# Altium PCB PCB.PcbDoc
Units mil, origin at the board's own origin, x right, y up, seen from the top; angles counter-clockwise.
Board outline 1259.84 x 1968.5 mil, 4 copper layers (Top Layer, Mid Layer 1, Mid Layer 2, Bottom Layer), stack 61.811 mil thick; 37 components, 44 nets, 186 pads, 37 vias.
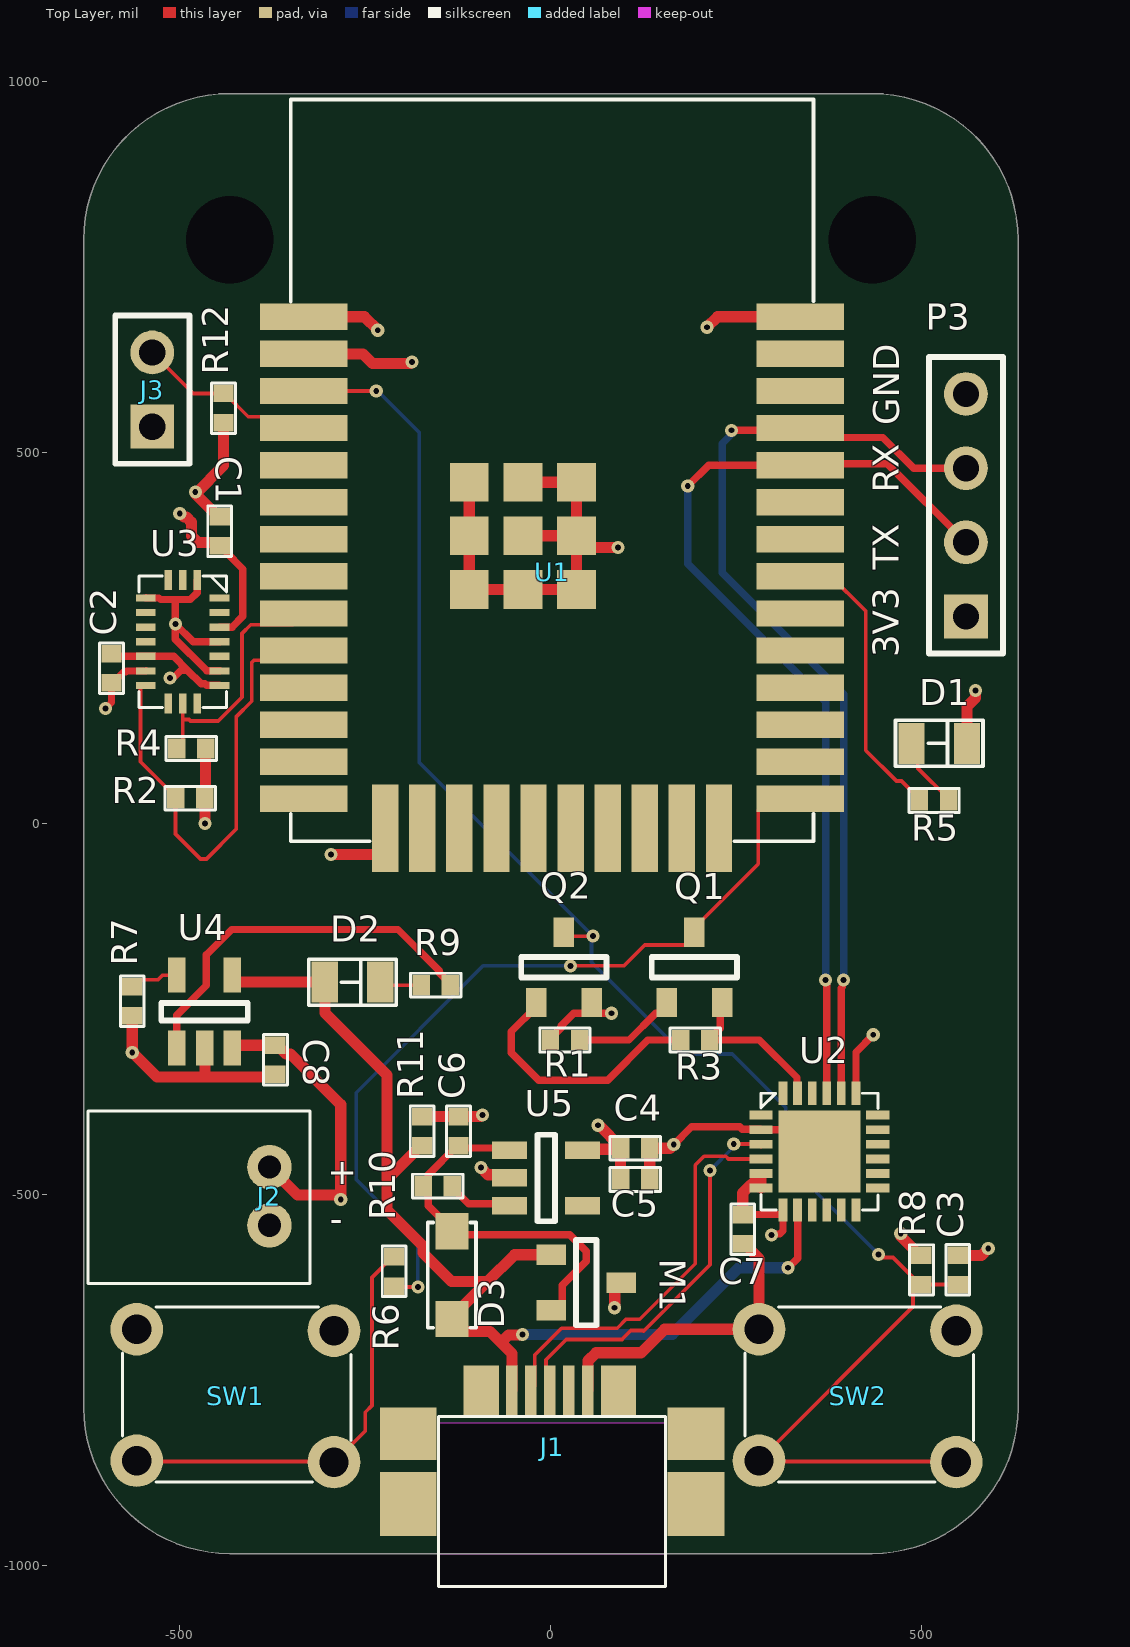
[diagram p0: Top Layer view]
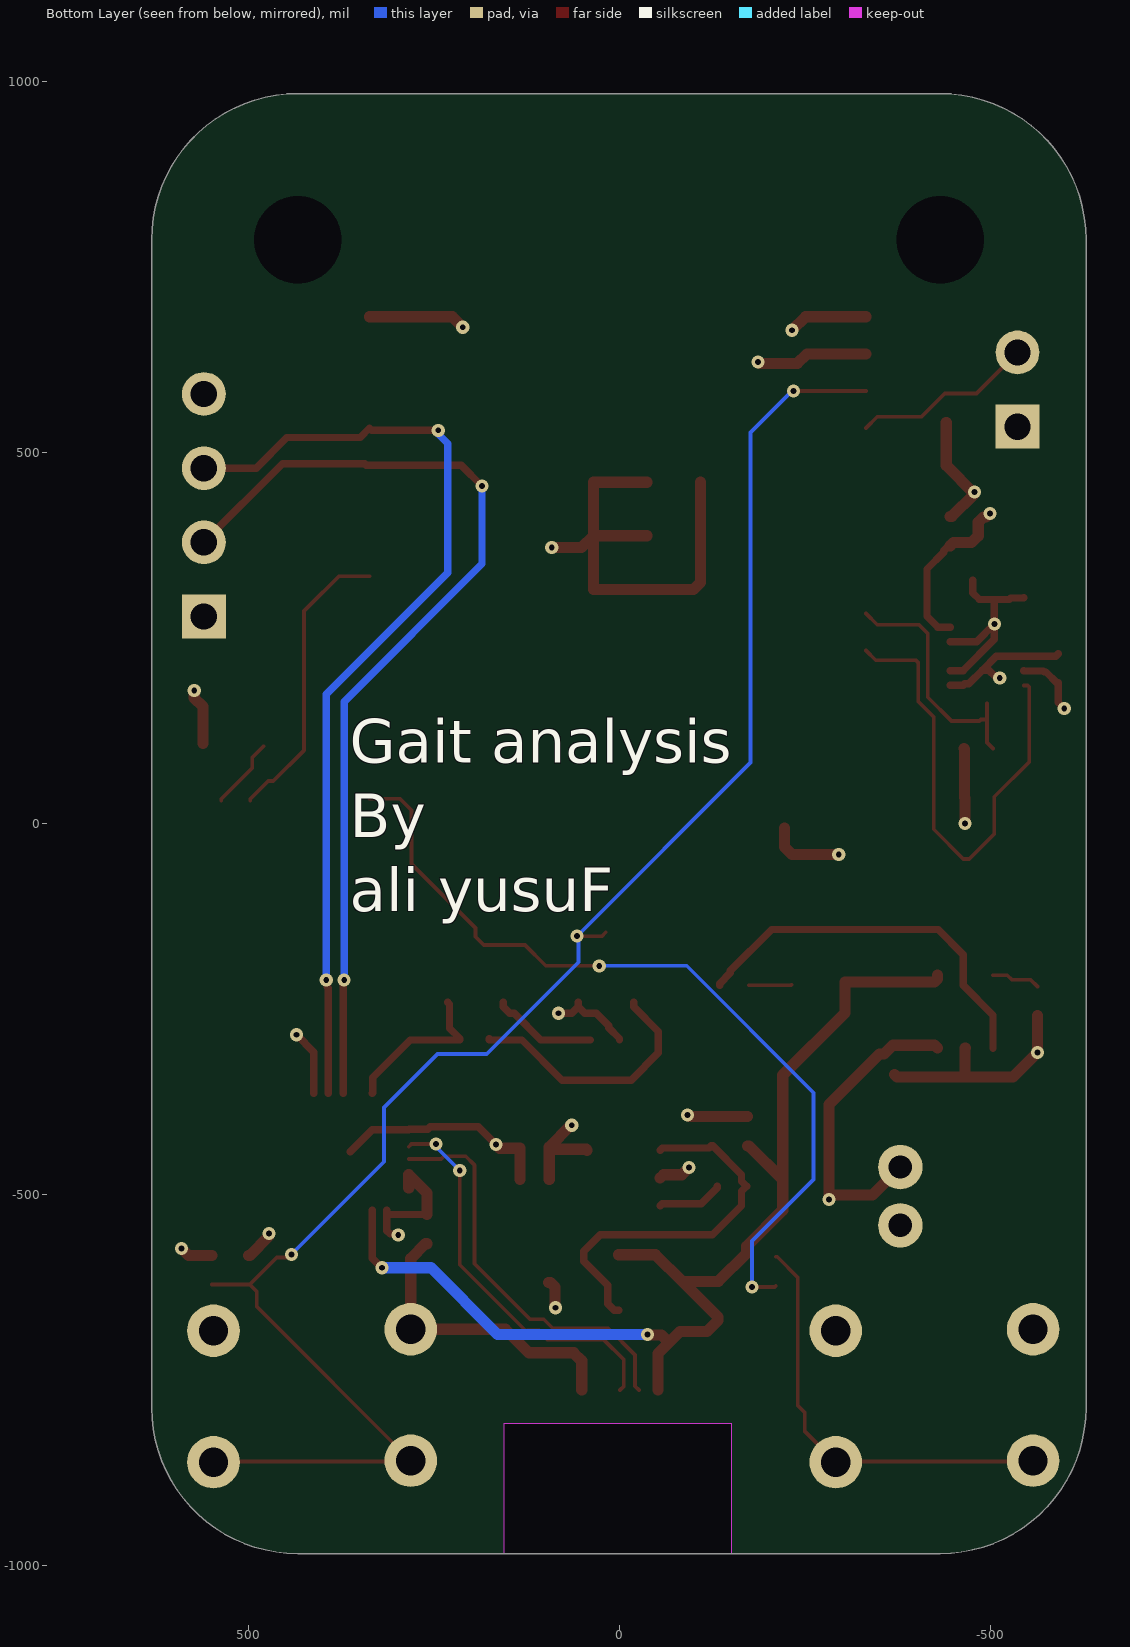
[diagram p1: Bottom Layer view, seen from below]
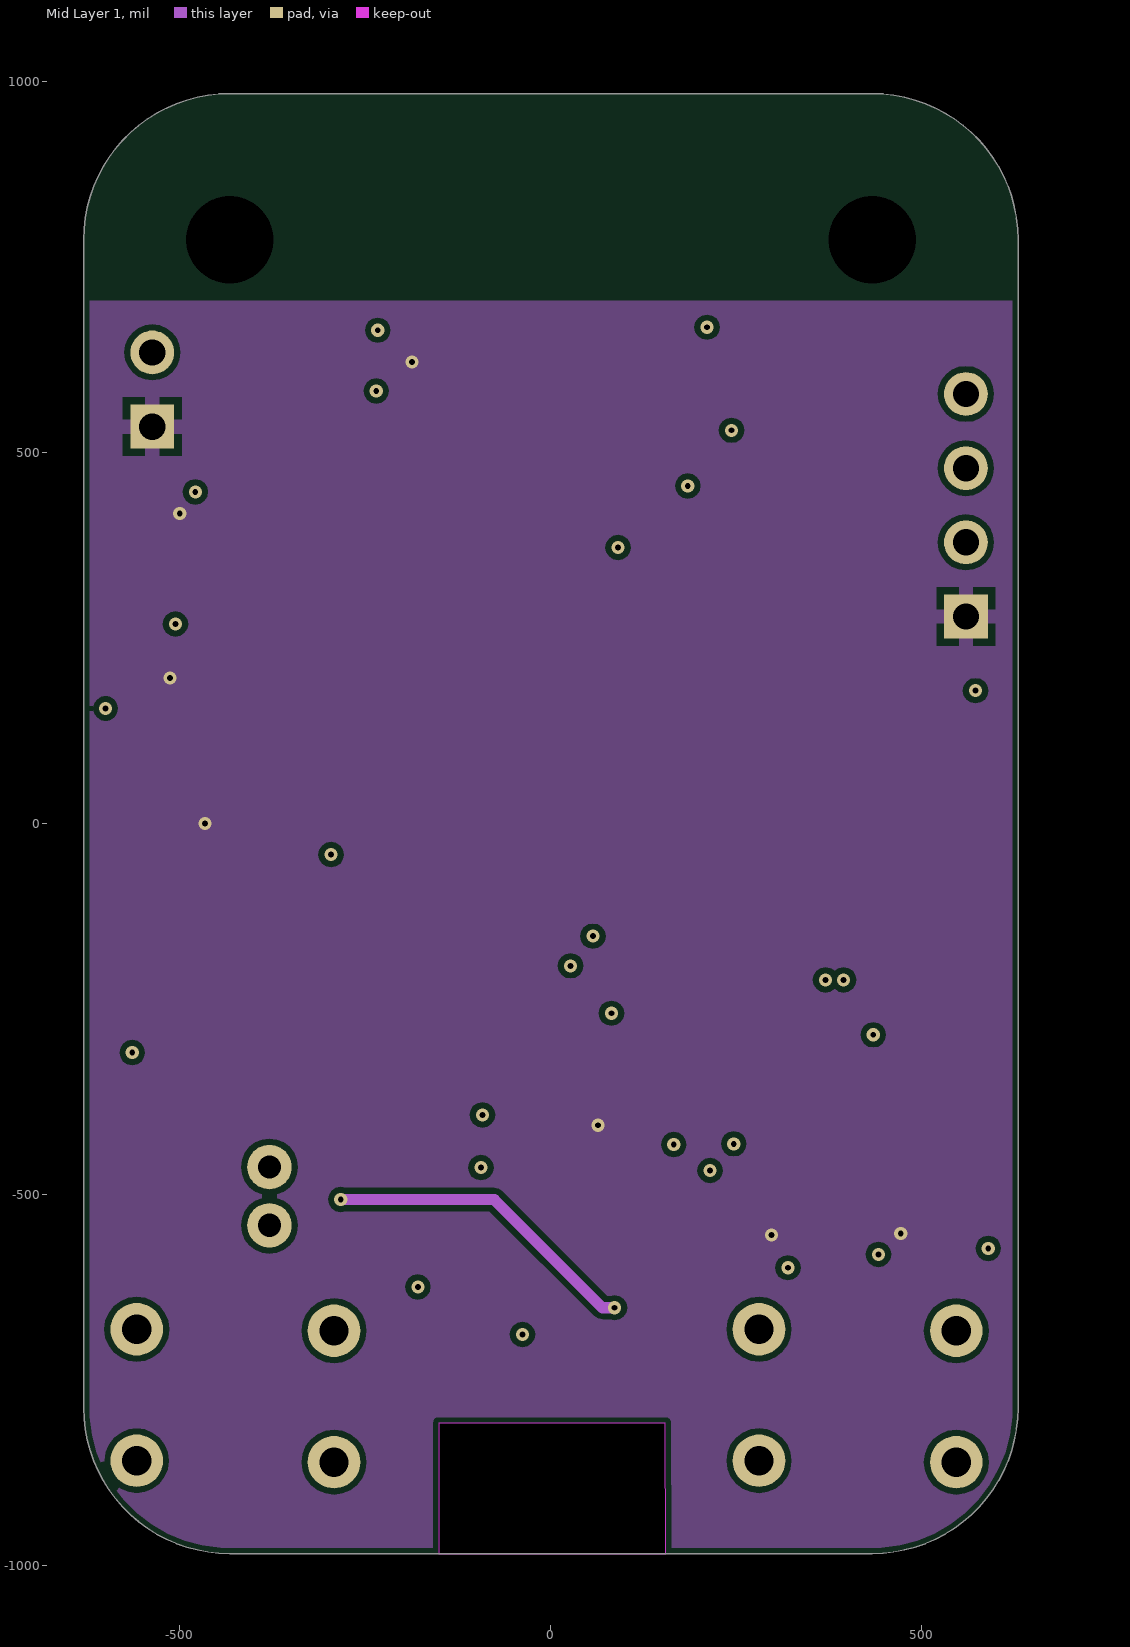
[diagram p2: Mid Layer 1]
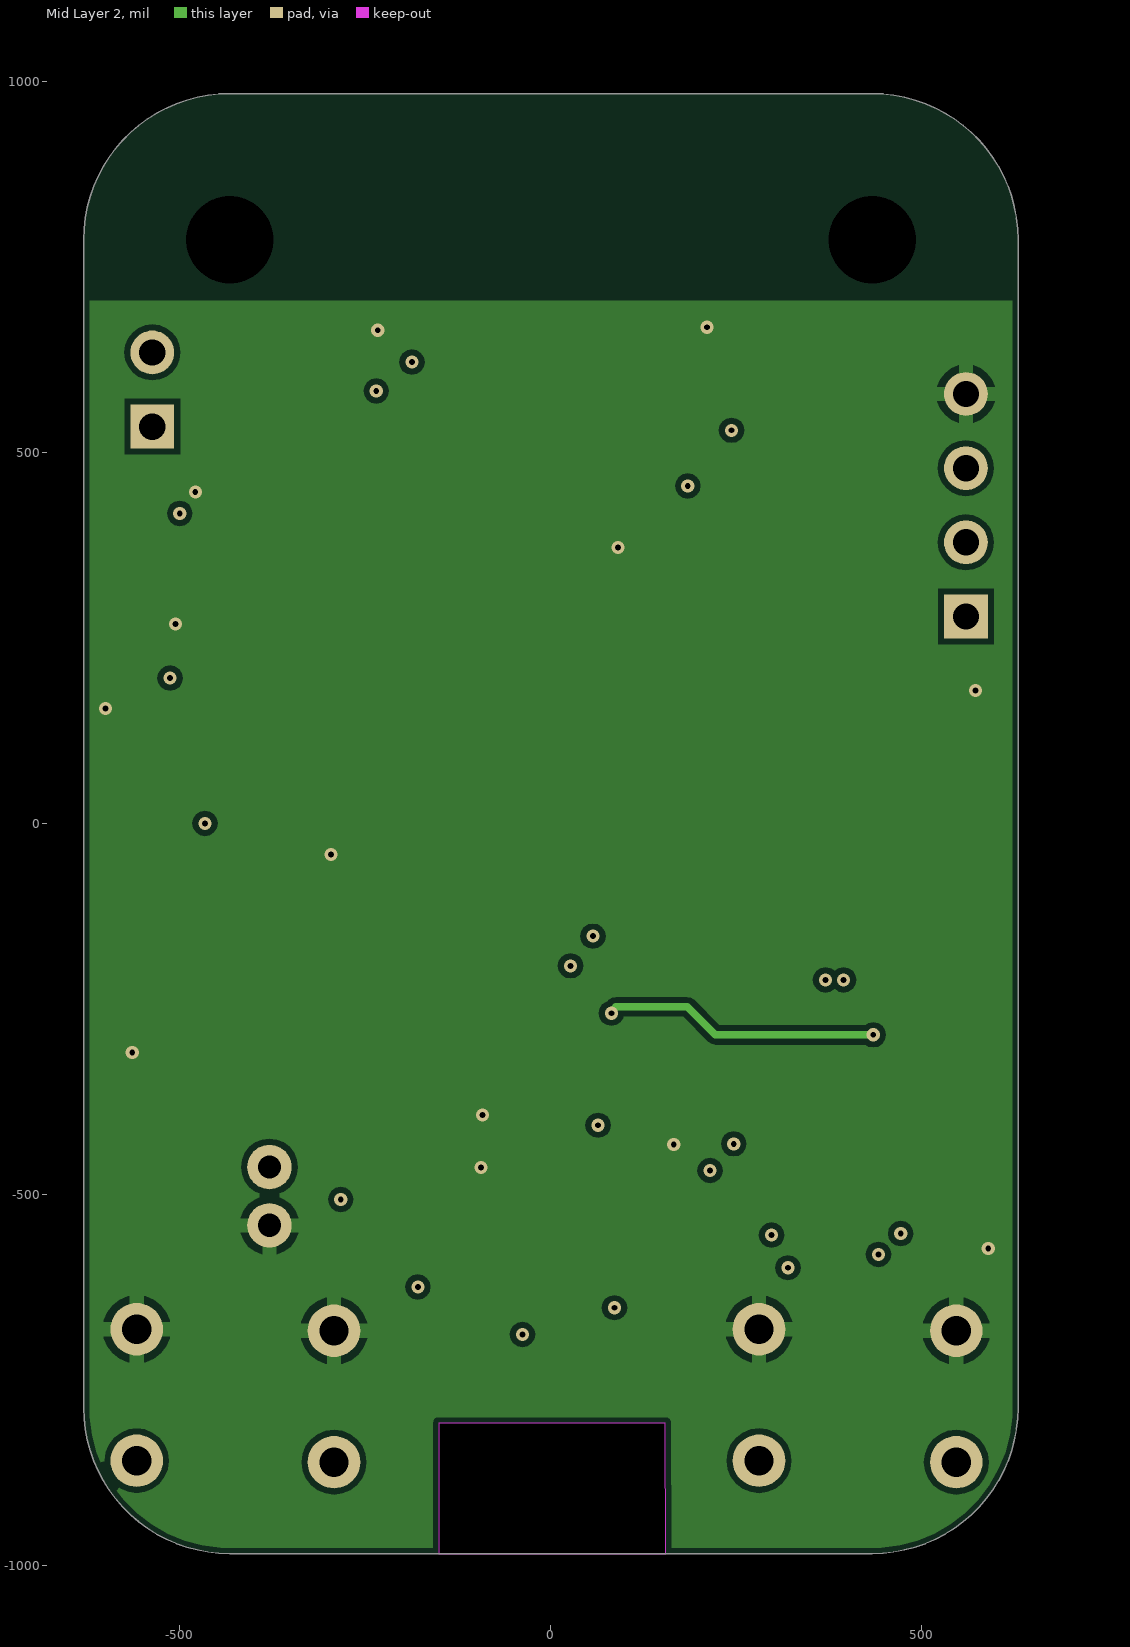
[diagram p3: Mid Layer 2]
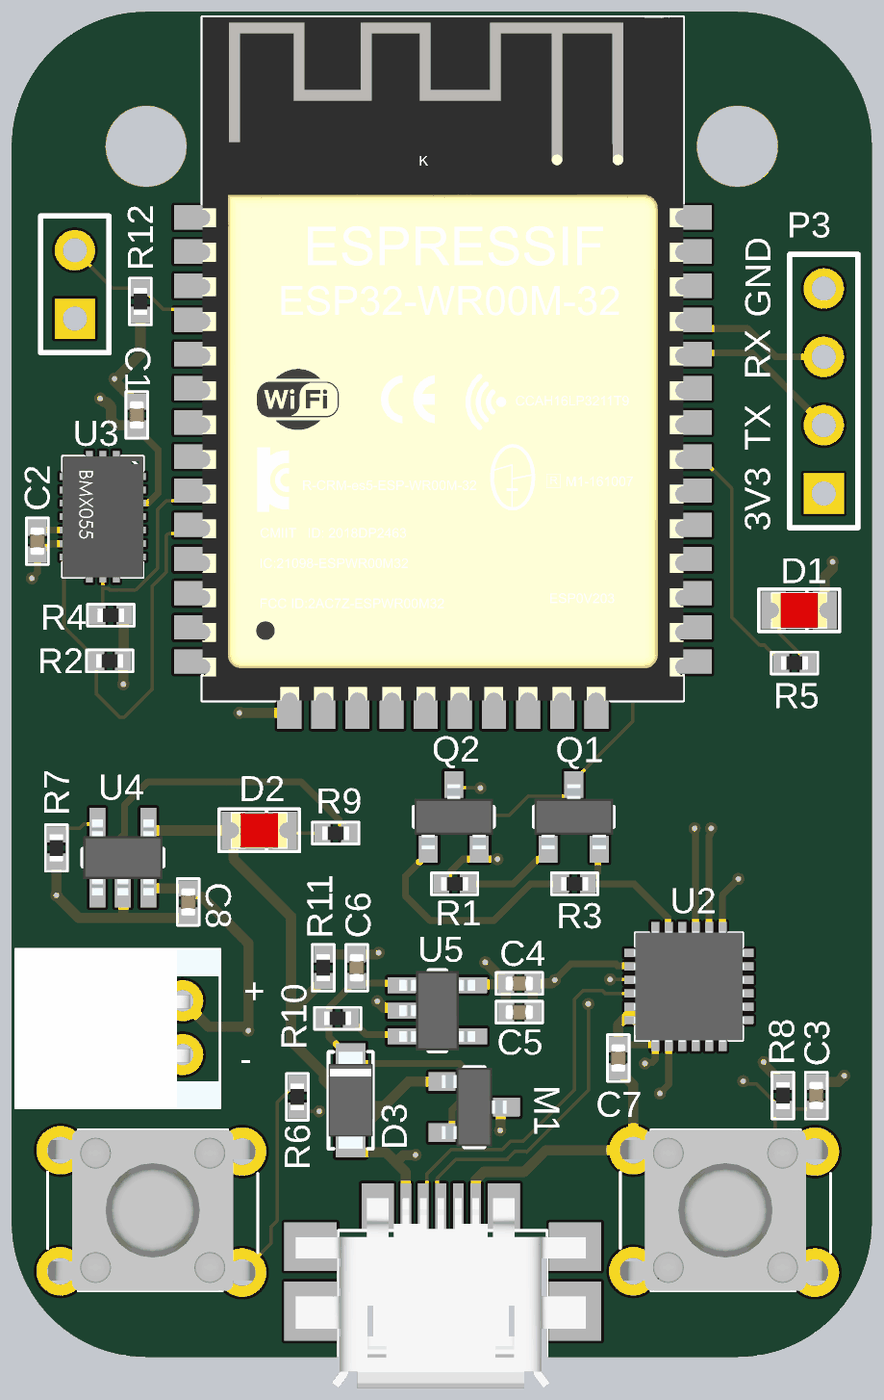
[diagram p4: 3D render of the assembled board from above, using the file's embedded part models]

## Layer stack, top to bottom
Top Solder: solder mask 0.4, Solder Resist, Dk 3.5
Top Layer: signal copper 1.3779
Dielectric 2: prepreg 7.874, PP-006, Dk 4.6
Mid Layer 1: signal copper 0.6889
Dielectric 1: dielectric 41.929, FR-4, Dk 4.6
Mid Layer 2: signal copper 0.6889
Dielectric 3: prepreg 7.874, PP-006, Dk 4.6
Bottom Layer: signal copper 1.3779
Bottom Solder: solder mask 0.4, Solder Resist, Dk 3.5

## Board outline
-629.5,-787.65 ccw(c-432.65,-787.65) -432.65,-984.5 433.49,-984.5 ccw(c433.49,-787.65) 630.34,-787.65 630.34,787.16 ccw(c433.49,787.16) 433.49,984.01 -432.65,984.01 ccw(c-432.65,787.16) -629.5,787.16
cut-out: 154.85,-808.38 -150.98,-808.38 -150.98,-984 -150.49,-984.5 155,-984.5

## Design rules (kind name [scope] priority, off if disabled: settings)
BoardOutlineClearance [All] p1: gap=7.87 ignorepadtopadclearanceinfootprint=FALSE except(15.75: Arc-SplitBarrior Arc-SplitContinuation Track-SplitBarrior Track-SplitContinuation SMDPad-SplitBarrior SMDPad-SplitContinuation THPad-SplitBarrior THPad-SplitContinuation Via-SplitBarrior Via-SplitContinuation Fill-SplitBarrior Fill-SplitContinuation Poly-SplitBarrior Poly-SplitContinuation Region-SplitBarrior Region-SplitContinuation Text-SplitBarrior Text-SplitContinuation)
Clearance "Clearance Bottom Layer" [OnLayer('Bottom Layer')] p1: gap=8 ignorepadtopadclearanceinfootprint=TRUE except(10: Arc-Text Track-Text SMDPad-Text THPad-Text Via-Text Fill-Text Poly-Text Region-Text Text-Text)
Clearance "Clearance Top Layer" [OnLayer('Top Layer')] p2: gap=8 ignorepadtopadclearanceinfootprint=TRUE except(10: Arc-Text Track-Text SMDPad-Text THPad-Text Via-Text Fill-Text Poly-Text Region-Text Text-Text)
Clearance [All] p3: gap=7.87 ignorepadtopadclearanceinfootprint=FALSE except(3.5: Arc-Arc Arc-Track Arc-SMDPad Track-Track Track-SMDPad SMDPad-SMDPad; 5: Arc-Via Track-Via SMDPad-Via THPad-Via Via-Via; 10: Arc-Text Track-Text SMDPad-Text THPad-Text Via-Text Fill-Text Poly-Text Region-Text Text-Text)
DiffPairsRouting [All] p1: maxlimit=10 minlimit=10 mostfreqgap=10 toplayer_minwidth=5 toplayer_maxwidth=15 toplayer_prefwidth=15 midlayer1_minwidth=5 midlayer1_maxwidth=15 midlayer1_prefwidth=15 midlayer2_minwidth=5 midlayer2_maxwidth=15 midlayer2_prefwidth=15 bottomlayer_minwidth=5 bottomlayer_maxwidth=15 bottomlayer_prefwidth=15 maxuncoupledlength=500
HoleSize [All] p1: absolutevalues=TRUE maxlimit=248.03 minlimit=7.87 maxpercent=80.000 minpercent=20.000
MinimumAnnularRing [All] p1: minimumring=3
MinimumSolderMaskSliver [All] p1: minsoldermaskwidth=3.94
PolygonConnect PolygonConnect_1 [All] p1: thpad.connectstyle=Relief thpad.reliefconductorwidth=20 thpad.reliefentries=4 thpad.polygonreliefangle="90 Angle" thpad.airgapwidth=10 smdpad.connectstyle=Relief smdpad.reliefconductorwidth=20 smdpad.reliefentries=4 smdpad.polygonreliefangle="90 Angle" smdpad.airgapwidth=10 via.connectstyle=Direct via.reliefconductorwidth=20 via.reliefentries=4 via.polygonreliefangle="90 Angle" via.airgapwidth=10
RoutingCorners [All] p1: cornerstyle=Round minsetback=100 maxsetback=100
RoutingVias [All] p1: holewidth=19.68 width=39.37 viastyle="Through Hole" minholewidth=7.87 minwidth=17.72 maxholewidth=39.37 maxwidth=78.74
SilkToSilkClearance [All] p1: silktosilkclearance=3.94
SilkToSolderMaskClearance [IsPad] p1: minsilkscreentomaskgap=3.94 clearancetoexposedcopper=TRUE
SolderMaskExpansion [All] p1: expansion=4
Width Width_4 [InNet('GND')] p1: maxlimit=15 minlimit=10 preferedwidth=15
Width Width_3 [InNet('3V3')] p2: maxlimit=15 minlimit=10 preferedwidth=15
Width Width_2 [InNet('VBUS')] p3: maxlimit=15 minlimit=10 preferedwidth=15
Width Width_1 [InNet('VBAT')] p4: maxlimit=15 minlimit=10 preferedwidth=15
Width [All] p5: maxlimit=100 minlimit=3.5 preferedwidth=5
24 further rules are at their usual default settings.

## Classes and differential pairs
differential pair class USB: USB
differential pair USB: +USB_P -USB_N

## Components (designator, comment, footprint, x,y, rotation, side; value= is the part's Value field where it differs from the comment)
C1 "0.1uF" "0402 CAPACITOR" -446.3,394 r90 top
C2 "0.1uF" "0402 CAPACITOR" -592,209.32 r270 top
C3 "1uF" "0402 CAPACITOR" 549,-602 r90 top
C4 "10uF" "0402 CAPACITOR" 114,-438 r180 top
C5 "10uF" "0402 CAPACITOR" 114,-480 r180 top
C6 "10uF" "0402 CAPACITOR" -124.18,-414.99 r270 top
C7 "10uF" "0402 CAPACITOR" 259,-547 r270 top
C8 "10uF" "0402 CAPACITOR" -371,-318.68 r270 top
D1 "0805 LED" "0805 LED" 524,108 r0 top
D2 "0805 LED" "0805 LED" -267,-214 r0 top
D3 "‎MBR120V" SHOTCKY -133,-609 r270 top
J1 "USB Micro" "USB MICRO" 195.85,-917.54 r0 top
J2 "JSTPH" JSTPH -379,-463.26 r270 top
J3 "Header 2" HDR1X2 -537,535 r90 top
M1 "DMG3415U" DMG3415U 48,-619 r0 top
P3 "Header 4" HDR1X4 560,279 r90 top
Q1 "MMBT2222A" MMBR2222A 193.79,-194 r90 top
Q2 "MMBT2222A" MMBR2222A 18,-194 r90 top
R1 "10K" "0402 RESISTOR" 19.31,-292 r0 top
R2 "4K7" "0402 RESISTOR" -486,34 r0 top
R3 "10K" "0402 RESISTOR" 195,-292 r180 top
R4 "4K7" "0402 RESISTOR" -484.31,101 r0 top
R5 "4K7" "0402 RESISTOR" 517,31 r180 top
R6 "10K" "0402 RESISTOR" -211,-604 r270 top
R7 "4K7" "0402 RESISTOR" -564,-239.68 r270 top
R8 "10K" "0402 RESISTOR" 500,-602 r90 top
R9 "4K7" "0402 RESISTOR" -155,-218 r0 top
R10 "100K" "0402 RESISTOR" -152,-489 r0 top
R11 "100K" "0402 RESISTOR" -173.18,-415 r270 top
R12 "3K3" "0402 RESISTOR" -441,560 r90 top
SW1 "SW" "TALL SWITCH" -558,-682 r0 top
SW2 "SW" "TALL SWITCH" 281,-682 r0 top
U1 "ESP32" ESP32SMD 2,476 r0 top
U2 "CP2104" CP2104 362.49,-442.49 r0 top
U3 "BMX055" BMX055 -496,245 r0 top
U4 "MCP7381T" MCP73831T -466.6,-253.79 r90 top
U5 "‎AP2112K-3.3" "3V3 REG" -6,-478 r0 top

## Footprints (in the part's own frame and the unit in brackets; to place one, negate y for a bottom-side part, rotate by r counter-clockwise, add the part's x,y. Pads: shape width x height; smd on the part's side, far side on the other; paste and mask are expansions set on the pad)
"3V3 REG" [mm]
  rect 1.2x0.6 smd: 1(-1.25,0.95) 2(-1.25,0) 3(-1.25,-0.95) 4(1.25,-0.95) 5(1.25,0.95)
  silkscreen extent -0.3,-1.48 0.3,1.48, body extent -1.41,-1.48 1.41,1.48, height 1.3
"0402 CAPACITOR" [mm]
  rect 0.6x0.7 smd: 1(-0.5,0) 2(0.5,0)
  silkscreen extent -0.86,-0.41 0.86,0.41, body extent -0.52,-0.27 0.53,0.28, height 0.55
"0402 RESISTOR" [mm]
  rect 0.6x0.7 smd: 1(-0.5,0) 2(0.5,0)
  silkscreen extent -0.86,-0.41 0.86,0.41, body extent -0.5,-0.25 0.5,0.25, height 0.36
"0805 LED" [mm]
  rect 0.9x1.4 smd: 1(0.95,0) 2(-0.95,0)
  silkscreen extent -1.5,-0.79 1.5,0.79, body extent -1.05,-0.68 1.05,0.67, height 0.9
BMX055 [mm]
  rect 0.675x0.25 smd: 1(1.262,1.5) 2(1.262,1) 3(1.262,0.5) 4(1.262,0.001) 5(1.262,-0.5) 6(1.262,-1) 7(1.262,-1.5) 11(-1.262,-1.5) 12(-1.262,-1) 13(-1.262,-0.5) 14(-1.262,0.001) 15(-1.262,0.5) 16(-1.262,1) 17(-1.262,1.5)
  rect 0.25x0.675 smd: 8(0.5,-2.113) 9(0,-2.113) 10(-0.5,-2.113) 18(-0.5,2.113) 19(0,2.113) 20(0.5,2.113)
  silkscreen extent -1.5,-2.25 1.5,2.25, body extent -1.5,-2.25 1.5,2.25, height 1.01
CP2104 [mm]
  rect 0.8x0.3 smd: 1(-2,1.25) 2(-2,0.75) 3(-2,0.25) 4(-2,-0.25) 5(-2,-0.75) 6(-2,-1.25) 13(2,-1.25) 14(2,-0.75) 15(2,-0.25) 16(2,0.25) 17(2,0.75) 18(2,1.25)
  rect 0.3x0.8 smd: 7(-1.25,-2) 8(-0.75,-2) 9(-0.25,-2) 10(0.25,-2) 11(0.75,-2) 12(1.25,-2) 19(1.25,2) 20(0.75,2) 21(0.25,2) 22(-0.25,2) 23(-0.75,2) 24(-1.25,2)
  rect 2.8x2.8 smd: 25(0,0)
  silkscreen extent -2,-2 2,2, body extent -2.05,-2.05 2.05,2.05, height 0.8
DMG3415U [mm]
  rect 1x0.7 smd: 1(-1.2,0.95) 2(-1.2,-0.95) 3(1.2,0)
  silkscreen extent -0.35,-1.46 0.35,1.46, body extent -1.2,-1.46 1.2,1.46, height 1.2
ESP32SMD [mm]
  rect 3x0.9 smd: 1(-8.5,5.26) 2(-8.5,3.99) 3(-8.5,2.72) 4(-8.5,1.45) 5(-8.5,0.18) 6(-8.5,-1.09) 7(-8.5,-2.36) 8(-8.5,-3.63) 9(-8.5,-4.9) 10(-8.5,-6.17) 11(-8.5,-7.44) 12(-8.5,-8.71) 13(-8.5,-9.98) 14(-8.5,-11.25) 25(8.5,-11.25) 26(8.5,-9.98) 27(8.5,-8.71) 28(8.5,-7.44) 29(8.5,-6.17) 30(8.5,-4.9) 31(8.5,-3.63) 32(8.5,-2.36) 33(8.5,-1.09) 34(8.5,0.18) 35(8.5,1.45) 36(8.5,2.72) 37(8.5,3.99) 38(8.5,5.26)
  rect 0.9x3 smd: 15(-5.715,-12.25) 16(-4.445,-12.25) 17(-3.175,-12.25) 18(-1.905,-12.25) 19(-0.635,-12.25) 20(0.635,-12.25) 21(1.905,-12.25) 22(3.175,-12.25) 23(4.445,-12.25) 24(5.715,-12.25)
  rect 1.33x1.33 smd: 39(-2.835,-4.075) 39(-2.835,-2.24) 39(-2.835,-0.405) 39(-1,-4.075) 39(-1,-2.24) 39(-1,-0.405) 39(0.835,-4.075) 39(0.835,-2.24) 39(0.835,-0.405)
  silkscreen extent -8.95,-12.7 8.95,12.7, body extent -8.95,-12.7 8.95,12.7, height 2.61
HDR1X2 [mm] "Connector; Header; 2 Position"
  rect 1.5x1.5 hole 0.9: 1(0,0)
  round 1.5 hole 0.9: 2(2.54,0)
  silkscreen extent -1.27,-1.27 3.81,1.27
HDR1X4 [mm] "Connector; Header; 4 Position"
  rect 1.5x1.5 hole 0.9: 1(0,0)
  round 1.5 hole 0.9: 2(2.54,0) 3(5.08,0) 4(7.62,0)
  silkscreen extent -1.27,-1.27 8.89,1.27
JSTPH [mil]
  round 60 hole 31.5: 1(0,0) 2(78.74,0)
  silkscreen extent -75,-245 157,55, body extent -75,-245 157,55, height 189
MCP73831T [mm]
  rect 1.2x0.6 smd: 1(-1.25,0.95) 2(-1.25,0) 3(-1.25,-0.95) 4(1.25,-0.95) 5(1.25,0.95)
  silkscreen extent -0.3,-1.48 0.3,1.48, body extent -1.41,-1.48 1.41,1.48, height 1.3
MMBR2222A [mm]
  rect 1x0.7 smd: 1(-1.2,0.95) 2(-1.2,-0.95) 3(1.2,0)
  silkscreen extent -0.35,-1.46 0.35,1.46, body extent -1.2,-1.46 1.2,1.46, height 1.2
SHOTCKY [mm]
  rect 1.24x1.12 smd: 1(-1.5,0) 2(1.5,0)
  silkscreen extent -1.8,-0.82 1.8,0.82, body extent -1.8,-0.82 1.8,0.82, height 0.98
"TALL SWITCH" [mm]
  round 1.8 hole 1: 1(0,0) 2(6.756,-0.051) 3(0,-4.5) 4(6.756,-4.551)
  silkscreen extent -0.48,-5.23 7.34,0.76, body extent -0.47,-5.23 7.33,0.76, height 9.51
"USB MICRO" [mm]
  rect 0.4x1.7 smd: 1(-6.3,3.9) 2(-5.65,3.9) 3(-5,3.9) 4(-4.35,3.9) 5(-3.7,3.9)
  rect 1.95x2.2 smd: ""(-9.85,0) ""(0,0)
  rect 1.95x1.8 smd: ""(-9.85,2.4) ""(0,2.4)
  rect 1.2x1.7 smd: ""(-7.35,3.9) ""(-2.65,3.9)
  silkscreen extent -8.81,-2.82 -1.04,3, body extent -10.4,-2.85 0.4,4.2, height 1.49

## Part data
C1 C2: library part "0402 Capacitor", LCSC Part #=C307331
C3: library part "0402 Capacitor", LCSC Part #=C52923
C4 C5 C6 C7 C8: library part "0402 Capacitor", LCSC Part #=C15525
D1 D2: LCSC Part #=C84256
D3: library part "Shotky Diode", LCSC Part #=C130880
J3: "Header, 2-Pin", LatestRevisionDate=17-Jul-2002, LatestRevisionNote="Re-released for DXP Platform.", Publisher="Altium Limited"
M1: LCSC Part #=C96616
P3: "Header, 4-Pin", LatestRevisionDate=17-Jul-2002, LatestRevisionNote="Re-released for DXP Platform.", Publisher="Altium Limited"
Q1 Q2: LCSC Part #=C83939
R1 R3 R6 R8: library part "0402 Resistor", LCSC Part #=C25744
R2 R4 R5 R7 R9: library part "0402 Resistor", LCSC Part #=C25900
R10 R11: library part "0402 Resistor", LCSC Part #=C25741
R12: library part "0402 Resistor", LCSC Part #=C25890
SW1 SW2: library part Switch
U2: LCSC Part #=C47742
U3: LCSC Part #=C94022
U4: LCSC Part #=C424093
U5: library part "3V3 Reg", LCSC Part #=C51118

## Free pads (board coordinates)
  round 0 hole 118.11: 2(433.49,787.16) 3(-432.65,787.16)

## Via types
v1: diameter 17.72, hole 7.87, Top Layer to Bottom Layer, tented both sides, 37 vias

## Nets (pads, with @x,y where several pads share a name; then routed paths per layer and width w, separated by ;. In a path a pad name is that pad's centre, name@x,y a point inside that pad or via, vN(x,y) a via of type N, cw(c..) or ccw(c..) an arc to the next point about the centre after c; other vN are vias at no path point)
3V3: C1.1 C2.1 C4.2 C5.2 C7.1 J3.1 P3.1 R2.2 R4.2 R8.2 U1.2 U2.5 U2.6 U2.7 U3.3 U3.7 U3.13 U5.5 | length 1036.9
  Top Layer w10: C2.1 -588.39,225.39 -545.78,225.39 U3.13 -508.34,225.31 -489.75,206.72 ; v1(-513,196) -511.52,197.48 -507.52,197.48 -498.28,206.72 -489.75,206.72 ; U3.7 -446.37,186.02 -463.91,186.02 -466.01,188.12 -471.15,188.12 -489.75,206.72 ; U3.3 -446.22,264.76 -429.31,264.76 -415,279.07 -415,343.02 -437.52,365.54 -437.52,367.51 -444.33,374.32 C1.1 ; C7.1 312.37,-527.32 U2.7@313.28,-526.42 ; v1(298,-555) 299.48,-553.52 308.89,-553.52 313.28,-549.14 U2.7@313.28,-526.42 ; U2.7 U2.7@313.28,-526.42
  Top Layer w15: v1(-500,418) -499.26,418 -494.26,413 -491,413 -484,406 -484,387.42 -475.21,378.63 -450.61,378.63 C1.1 ; v1(-466,0) -466.16,0.16 -466.16,33.84 R2.2 -465.47,34.84 -465.47,100.16 R4.2 ; U1.2 -253.09,633.09 -240,620 -189,620 v1(-187,622) ; U5.5 44.51,-439.3 93.01,-439.3 C4.2 ; v1(64,-407) 64.52,-407.52 65.79,-407.52 94.31,-436.03 C4.2 ; C5.2 C4.2 ; C7.1 259,-498.48 283.75,-473.74 U2.6 ; v1(472,-553) 472,-556.28 498.03,-582.31 R8.2
DTR: Q1.2 R3.1 U2.23 | length 217.5
  Top Layer w10: Q1.2 228.79,-243.65 228.79,-275.93 214.69,-290.03 R3.1 281.57,-292 332.18,-342.62 332.18,-362.97 U2.23
GND: C1.2 C2.2 C3.2 C4.1 C5.1 C6.1 C7.2 C8.2 D1.1 J1.5 J2.2 P3.4 R7.2 R11.1 R12.1 SW1.1 SW1.2 SW2.1 SW2.2 U1.1 U1.15 U1.38 U1.39 U2.2 U2.25 U3.4 U3.6 U3.12 U3.17 U3.20 U4.2 U5.2 | length 2770.5
  Top Layer w10: v1(-600,155) -592,163 C2.2 -590.03,189.63 -575.47,204.19 -572.84,204.19 -571.47,205.55 -545.78,205.55 U3.12 U3.12@-545.63,205.71 ; U3.17 -545.63,303.98 -528.09,303.98 -525.99,301.88 -505.84,301.88 ; U3.20 -476.39,328.09 -476.39,311.18 -485.69,301.88 -505.84,301.88 ; U3.6 -446.37,205.71 -458.14,205.71 -458.55,206.12 -463.69,206.12 -505.84,248.27 v1(-505.84,268.84) ; U3.4 -446.35,245 -482,245 v1(-505.84,268.84) ; v1(166,-433) 190,-409 254.91,-409 258.09,-412.18 282.97,-412.18 U2.2 332.96,-412.96 U2.25 ; v1(-505.84,268.84) -505.84,301.88
  Top Layer w15: R7.2 v1(-564,-309) -530.88,-342.12 -466,-342.12 ; U4.2 -466,-303.6 -466,-342.12 ; C1.2 -448.27,413.69 -479,444.42 -441,482.42 R12.1 ; C8.2 -374.75,-342.12 -466,-342.12 ; U1.1 -251.09,683.09 v1(-233,665) ; v1(-296,-42) -233.22,-42 -223,-31.78 U1.15 ; R11.1 C6.1 -94.31,-395.32 v1(-92,-393) ; U1.39@-109.61,460.06 -109.61,387.81 -109.61,325 -100.18,315.57 -37.37,315.57 34.87,315.57 U1.39@34.87,387.81 ; v1(-94,-464) -84.31,-473.69 -59.52,-473.69 U5.2 ; U1.39@-37.37,387.81 U1.39@34.87,387.81 ; U1.39@-37.37,460.06 34.87,460.06 U1.39@34.87,387.81 ; J1.5 50.56,-763.63 50.56,-724.44 61.32,-713.68 121.77,-713.68 153.46,-682 SW2.1 281,-586.72 260.97,-566.69 C7.2 ; v1(91,372) 50.69,372 U1.39@34.87,387.81 ; C5.1 C4.1 161,-438 v1(166,-433) ; v1(211,669) 225.09,683.09 U1.38 ; C3.2 580.69,-582.31 v1(590,-573) ; D1.1 561.4,157.4 573,169 v1(573,179)
  other v1: -479,447
GPIO0: Q1.3 R6.2 U1.25 | length 1141
  Top Layer w5: R6.2 -209.69,-625 v1(-179,-625) ; v1(27,-192) 98.9,-192 126.96,-163.94 182.51,-163.94 193.79,-152.66 Q1.3 193.79,-140.85 280.09,-54.55 280.09,17.87 295.31,33.09 U1.25
  Bottom Layer w5: v1(-179,-625) -179,-563 -262,-480 -262,-363 -91,-192 v1(27,-192)
GPIO2: U1.24
GPIO4: U1.26
GPIO5: U1.29
GPIO12: U1.14
GPIO13: U1.16
GPIO14: U1.13
GPIO15: U1.23
GPIO16: U1.27
GPIO17: U1.28
GPIO18: U1.30
GPIO19: R5.2 U1.31 | length 397
  Top Layer w5: U1.31 377.98,333.09 399.77,311.3 400.05,311.3 425,286.35 425,98.47 466.29,57.19 473.1,57.19 497.31,32.97 R5.2
GPIO21: U1.33
GPIO22: U1.36
GPIO23: U1.37
GPIO26: U1.11
GPIO27: U1.12
GPIO32: U1.8
GPIO34: U1.6
GPIO35: U1.7
GPIO36: J3.2 R12.2 U1.4 | length 246.6
  Top Layer w5: J3.2 -481.69,579.69 R12.2 -439.03,579.69 -407.65,548.3 -347.86,548.3 U1.4
GPIO39: U1.5
NetC6_2: C6.2 D3.1 M1.2 R10.1 U5.1 | length 516.7
  Top Layer w10: U5.1 -58.17,-437.64 -121.22,-437.64 C6.2 -126.15,-434.69 -164.87,-473.41 -164.87,-482.19 R10.1 -164.87,-495.81 -164.87,-515.71 -125.76,-554.82 25.83,-554.82 47.86,-576.85 47.86,-590.14 15.44,-622.56 15.44,-647.62 6.66,-656.4 M1.2
NetD1_2: D1.2 R5.1 | length 96.6
  Top Layer w5: D1.2@479.6,104 494.81,88.78 494.81,74.84 536.69,32.97 R5.1
NetD2_1: D2.1 R9.1 | length 58
  Top Layer w5: D2.1@-232.43,-217.5 -231.93,-218 R9.1
NetQ1_1: Q1.1 R1.2 | length 141.9
  Top Layer w10: R1.2 105.63,-292 141.7,-255.93 147.61,-255.93 156.39,-247.15 Q1.1
NetQ2_1: Q2.1 R3.2 | length 349.5
  Top Layer w10: Q2.1 -19.4,-247.15 -52.86,-280.61 -52.86,-309.14 -16,-346 77.09,-346 131.09,-292 R3.2 R3.2@175.31,-290.03
NetR6_1: R6.1 SW1.3 SW1.4 | length 578.4
  Top Layer w5: SW1.3 -557,-860.17 -293,-860.17 SW1.4 -250,-819.17 -250,-794 -240.83,-784.83 -240.83,-612.18 -212.97,-584.32 R6.1
NetR7_1: R7.1 U4.5 | length 66.4
  Top Layer w5: R7.1 -554.69,-210.69 -529.43,-210.69 -523.31,-204.57 U4.5
NetR9_2: R9.2 U4.1 | length 519.1
  Top Layer w10: U4.1 -504,-258.39 -464,-218.39 -464,-177 -430,-143 -205.71,-143 -149.87,-198.84 -149.87,-201.47 -135.31,-216.03 R9.2
NetR10_2: R10.2 U5.3 | length 89.2
  Top Layer w10: R10.2 -132.31,-490.97 -110.75,-512.54 -58.08,-512.54 U5.3
RESET: C3.1 Q2.3 R8.1 SW2.3 SW2.4 U1.3 | length 2343
  Top Layer w5: U1.3 v1(-235,583.09) ; Q2.3 23.24,-152 v1(57,-152) ; v1(442,-581) 446.24,-585.24 461.59,-585.24 R8.1@498.03,-621.68 ; SW2.4 546,-860.17 282,-860.17 SW2.3 488.72,-651.45 488.72,-631 R8.1@498.03,-621.68 ; C3.1 R8.1 R8.1@498.03,-621.68
  Bottom Layer w5: v1(-235,583.09) -233.09,583.09 -177,527 -177,82 v1(57,-152) 55,-154 55,-187.3 178.7,-311 245,-311 317,-383 317,-456 v1(442,-581)
RTS: Q2.2 R1.1 U2.19 | length 575.7
  Top Layer w10: R1.1 -0.37,-290.03 14.19,-275.47 14.19,-272.84 31.1,-255.93 46.62,-255.93 Q2.2@55.4,-247.15 ; Q2.2 Q2.2@55.4,-247.15 ; v1(82,-256) 81.93,-255.93 64.18,-255.93 Q2.2@55.4,-247.15 ; U2.19 411.7,-308.3 v1(435,-285)
  Mid Layer 2 w10: v1(82,-256) 82,-253.91 87.86,-248.05 87.86,-247.15 184.15,-247.15 222,-285 v1(435,-285)
RXD: P3.2 U1.34 U2.21 | length 1327.7
  Top Layer w10: v1(185,455) 213.09,483.09 U1.34 341.09,483.09 343,485 454,485 P3.2 ; v1(370.81,-211) 372.33,-212.52 U2.21
  Bottom Layer w10: v1(185,455) 185,350 370.81,164.18 v1(370.81,-211)
SCL: R4.1 U1.9 U3.9 | length 338.9
  Top Layer w5: R4.1 -496,109 -496,140 ; U3.9 -496,140 ; U1.9 -347.86,267.87 -404.28,267.87 -416,256.15 -416,170 -447.96,138.04 -485.59,138.04 -487.54,140 -496,140
SDA: R2.1 U1.10 U3.11 | length 648.7
  Top Layer w5: U3.11 -550.58,185.94 -553,183.52 -553,83.28 -505.69,35.97 R2.1 -505.69,-14.32 -472,-48 -464,-48 -424,-8 -424,143.62 -403,164.62 -403,217.07 -400.07,220 -345.73,220 U1.10
TXD: P3.3 U1.35 U2.20 | length 1307.8
  Top Layer w10: v1(244,530) 333.56,530 U1.35 349.36,520.37 448.03,520.37 489.4,479 P3.3 ; U2.20 392.02,-222 393.52,-220.49 393.52,-212.48 v1(395,-211)
  Bottom Layer w10: v1(244,530) 244,525 231.19,512.19 231.19,338.01 395,174.2 v1(395,-211)
USB_N: J1.2 U2.4 | length 545
  Top Layer w5: J1.2 -21.3,-758.7 -21.3,-716.82 14.85,-680.68 89.73,-680.68 101.77,-668.64 120.15,-668.64 195,-593.79 195,-461 195.64,-460.36 195.64,-459.98 206.98,-448.64 236.27,-448.64 239.95,-452.33 U2.4
USB_P: J1.3 U2.3 | length 533.5
  Top Layer w5: J1.3 -6.3,-758.7 -6.3,-723.04 21.06,-695.68 96.64,-695.68 96.64,-694.98 107.98,-683.64 124.02,-683.64 125.19,-684.81 215,-595 v1(215,-468) ; v1(247,-432) 247.32,-432.32 280.15,-432.32 U2.3@283.75,-435.93
  Bottom Layer w5: v1(215,-468) 247,-436 v1(247,-432)
VBAT: C8.1 J2.1 M1.3 U4.3 | length 891.9
  Top Layer w15: U4.3 -425.2,-299 C8.1 -369.03,-299 -356.97,-311.06 -350.8,-311.06 -283,-378.86 v1(-283,-507) -289,-501 -341.26,-501 J2.1 ; v1(86,-653) 86.52,-652.48 86.52,-625.28 92.8,-619 M1.3
  Mid Layer 1 w15: v1(-283,-507) -76,-507 70,-653 v1(86,-653)
VBUS: D2.2 D3.2 J1.1 M1.1 R11.2 U2.8 U4.4 | length 1554.5
  Top Layer w10: v1(320,-599) 332.96,-586.04 U2.8
  Top Layer w15: U4.4 -429.2,-209.69 -424.89,-214 D2.2 -304.4,-255.6 -220.5,-339.5 -220.5,-480.03 ; R11.2 -175.15,-434.69 -220.5,-480.03 ; J1.1 -52.18,-714.82 -67.11,-699.89 ; v1(-38,-689) -38.52,-689.52 -56.74,-689.52 -67.11,-699.89 ; M1.1 -48.91,-581.6 -85.15,-617.85 ; -220.5,-480.03 -220.5,-521.5 -172,-570 -172,-579.32 -133.48,-617.85 -85.15,-617.85 ; -85.15,-617.85 -133,-665.69 D3.2 -133,-670.42 -118.45,-684.96 -82.04,-684.96 -67.11,-699.89
  Bottom Layer w15: v1(-38,-689) 164,-689 254,-599 v1(320,-599)
pads on no net: J1. J1.4 U1.17 U1.18 U1.19 U1.20 U1.21 U1.22 U1.32 U2.1 U2.9 U2.10 U2.11 U2.12 U2.13 U2.14 U2.15 U2.16 U2.17 U2.18 U2.22 U2.24 U3.1 U3.2 U3.5 U3.8 U3.10 U3.14 U3.15 U3.16 U3.18 U3.19 U5.4

## Polygon pours and split planes (outlines as drawn)
GND on Mid Layer 2 "Mid Layer 2-GND" (solid, pour order 1): -629.5,-787.65 ccw(c-432.65,-787.65) -432.65,-984.5 433.49,-984.5 ccw(c433.49,-787.65) 630.34,-787.65 630.34,787.16 ccw(c433.49,787.16) 433.49,984.01 -432.65,984.01 ccw(c-432.65,787.16) -629.5,787.16
3V3 on Mid Layer 1 "Mid Layer 1-3V3" (solid, pour order 0): -629.5,-787.65 ccw(c-432.65,-787.65) -432.65,-984.5 433.49,-984.5 ccw(c433.49,-787.65) 630.34,-787.65 630.34,787.16 ccw(c433.49,787.16) 433.49,984.01 -432.65,984.01 ccw(c-432.65,787.16) -629.5,787.16

## Other copper
Mid Layer 1:
  pour cut-out: 640.41,705 -629,705 -629,1002 -604,1027 722,1027
Mid Layer 2:
  pour cut-out: 640.41,705 -629,705 -629,1002 -604,1027 722,1027

## Silkscreen, mask and mechanical layers (free items; w line width, h text height)
Top Overlay:
  text "GND" at 481.66,537 h60 r90
  text "RX" at 481,446 h60 r90
  text "TX" at 481,342 h60 r90
  text "3V3" at 481.14,224 h60 r90
  text "+" at -261,-498 h60
  text "-" at -280,-562.26 h60
Bottom Overlay:
  text "Gait analysis / By / ali yusuF" at 363,-138 h100
Outline:
  the board outline again, w0.5
Mechanical 13:
  circle w0.5: c-432.65,787.16 r59.06
  circle w0.5: c433.49,787.16 r59.06
  lines w0.5: -629.5,-0.24 630.34,-0.24 ; 9.42,-970.5 9.42,998.01